# Altium PCB AIWAC_A33_LVDS07_20181114..PcbDoc (part 6 of 14)
Units mm, origin at the board's own origin, x right, y up, seen from the top; angles counter-clockwise.
Board outline 96.06 x 45 mm, 2 copper layers (Top Layer, Bottom Layer); 78 components, 59 nets, 22856 pads, 712 vias.
Unrouted connection lines stored in the file: 2.
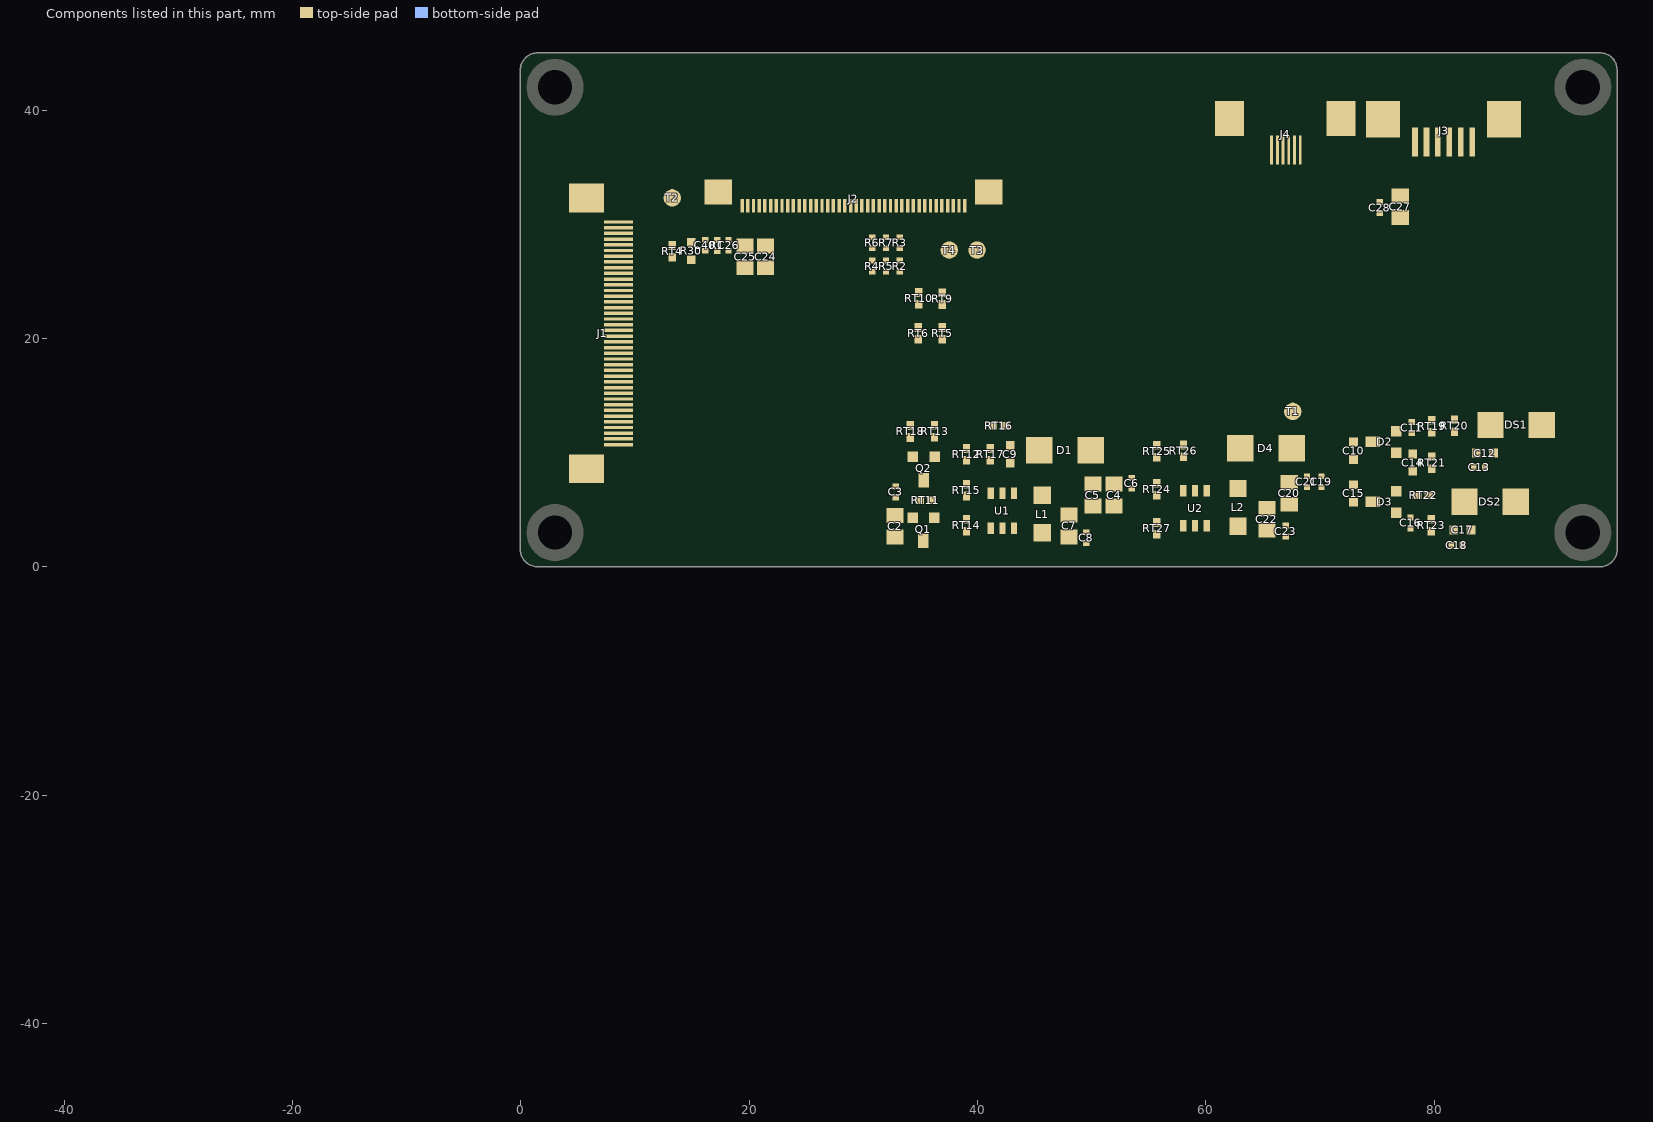
[diagram p6: the components of this part, seen from the top]

## Free pads (board coordinates) (continued)
  round 0 on Mech2: 1(-39.05,-44.101) 1(-39.05,-44.101) 1(-39.05,-44.101) 1(-39.05,-44.098) 1(-39.05,-44.098) 1(-39.05,-44.098) 1(-39.05,-44.112) 1(-39.05,-44.112) 1(-39.05,-44.112) 1(-39.049,-44.142) 1(-39.049,-44.142) 1(-39.049,-44.142) 1(-39.049,-44.146) 1(-39.049,-44.146) 1(-39.049,-44.146) 1(-39.049,-44.111) 1(-39.049,-44.111) 1(-39.049,-44.111) 1(-39.049,-44.103) 1(-39.049,-44.103) 1(-39.049,-44.103) 1(-39.049,-44.104) 1(-39.049,-44.104) 1(-39.049,-44.104) 1(-39.048,-44.104) 1(-39.048,-44.104) 1(-39.048,-44.104) 1(-39.048,-44.137) 1(-39.048,-44.137) 1(-39.048,-44.137) 1(-39.048,-44.133) 1(-39.048,-44.133) 1(-39.048,-44.133) 1(-39.048,-44.124) 1(-39.048,-44.124) 1(-39.048,-44.124) 1(-39.048,-44.099) 1(-39.048,-44.099) 1(-39.048,-44.099) 1(-39.048,-44.13) 1(-39.048,-44.13) 1(-39.048,-44.13) 1(-39.048,-44.116) 1(-39.048,-44.116) 1(-39.048,-44.116) 1(-39.047,-44.137) 1(-39.047,-44.137) 1(-39.047,-44.137) 1(-39.047,-44.119) 1(-39.047,-44.119) 1(-39.047,-44.119) 1(-39.047,-44.108) 1(-39.047,-44.108) 1(-39.047,-44.108) 1(-39.047,-44.106) 1(-39.047,-44.106) 1(-39.047,-44.106) 1(-39.047,-44.145) 1(-39.047,-44.145) 1(-39.047,-44.145) 1(-39.047,-44.122) 1(-39.047,-44.122) 1(-39.047,-44.122) 1(-39.047,-44.142) 1(-39.047,-44.142) 1(-39.047,-44.142) 1(-39.047,-44.127) 1(-39.047,-44.127) 1(-39.047,-44.127) 1(-39.047,-44.113) 1(-39.047,-44.113) 1(-39.047,-44.113) 1(-39.046,-44.109) 1(-39.046,-44.109) 1(-39.046,-44.109) 1(-39.046,-44.105) 1(-39.046,-44.105) 1(-39.046,-44.105) 1(-39.046,-44.099) 1(-39.046,-44.099) 1(-39.046,-44.099) 1(-39.046,-44.136) 1(-39.046,-44.136) 1(-39.046,-44.136) 1(-39.046,-44.134) 1(-39.046,-44.134) 1(-39.046,-44.134) 1(-39.046,-44.106) 1(-39.046,-44.106) 1(-39.046,-44.106) 1(-39.045,-44.102) 1(-39.045,-44.102) 1(-39.045,-44.102) 1(-39.045,-44.114) 1(-39.045,-44.114) 1(-39.045,-44.114) 1(-39.045,-44.111) 1(-39.045,-44.111) 1(-39.045,-44.111) 1(-39.045,-44.144) 1(-39.045,-44.144) 1(-39.045,-44.144) 1(-39.045,-44.147) 1(-39.045,-44.147) 1(-39.045,-44.147) 1(-39.045,-44.151) 1(-39.045,-44.151) 1(-39.045,-44.151) 1(-39.045,-44.097) 1(-39.045,-44.097) 1(-39.045,-44.097) 1(-39.045,-44.131) 1(-39.045,-44.131) 1(-39.045,-44.131) 1(-39.045,-44.127) 1(-39.045,-44.127) 1(-39.045,-44.127) 1(-39.045,-44.13) 1(-39.045,-44.13) 1(-39.045,-44.13) 1(-39.045,-44.128) 1(-39.045,-44.128) 1(-39.045,-44.128) 1(-39.045,-44.105) 1(-39.045,-44.105) 1(-39.045,-44.105) 1(-39.044,-44.109) 1(-39.044,-44.109) 1(-39.044,-44.109) 1(-39.044,-44.103) 1(-39.044,-44.103) 1(-39.044,-44.103) 1(-39.044,-44.119) 1(-39.044,-44.119) 1(-39.044,-44.119) 1(-39.044,-44.116) 1(-39.044,-44.116) 1(-39.044,-44.116) 1(-39.044,-44.146) 1(-39.044,-44.146) 1(-39.044,-44.146) 1(-39.044,-44.146) 1(-39.044,-44.146) 1(-39.044,-44.146) 1(-39.044,-44.134) 1(-39.044,-44.134) 1(-39.044,-44.134) 1(-39.044,-44.134) 1(-39.044,-44.134) 1(-39.044,-44.134) 1(-39.044,-44.118) 1(-39.044,-44.118) 1(-39.044,-44.118) 1(-39.044,-44.116) 1(-39.044,-44.116) 1(-39.044,-44.116) 1(-39.044,-44.116) 1(-39.044,-44.116) 1(-39.044,-44.116) 1(-39.044,-44.1) 1(-39.044,-44.1) 1(-39.044,-44.1) 1(-39.044,-44.094) 1(-39.044,-44.094) 1(-39.044,-44.094) 1(-39.044,-44.148) 1(-39.044,-44.148) 1(-39.044,-44.148) 1(-39.044,-44.146) 1(-39.044,-44.146) 1(-39.044,-44.146) 1(-39.044,-44.146) 1(-39.044,-44.146) 1(-39.044,-44.146) 1(-39.044,-44.134) 1(-39.044,-44.134) 1(-39.044,-44.134) 1(-39.044,-44.134) 1(-39.044,-44.134) 1(-39.044,-44.134) 1(-39.044,-44.106) 1(-39.044,-44.106) 1(-39.044,-44.106) 1(-39.044,-44.106) 1(-39.044,-44.106) 1(-39.044,-44.106) 1(-39.043,-44.112) 1(-39.043,-44.112) 1(-39.043,-44.112) 1(-39.043,-44.144) 1(-39.043,-44.144) 1(-39.043,-44.144) 1(-39.043,-44.144) 1(-39.043,-44.144) 1(-39.043,-44.144) 1(-39.043,-44.134) 1(-39.043,-44.134) 1(-39.043,-44.134) 1(-39.043,-44.134) 1(-39.043,-44.134) 1(-39.043,-44.134) 1(-39.043,-44.095) 1(-39.043,-44.095) 1(-39.043,-44.095) 1(-39.043,-44.095) 1(-39.043,-44.095) 1(-39.043,-44.095) 1(-39.043,-44.095) 1(-39.043,-44.095) 1(-39.043,-44.095) 1(-39.043,-44.146) 1(-39.043,-44.146) 1(-39.043,-44.146) 1(-39.043,-44.146) 1(-39.043,-44.146) 1(-39.043,-44.146) 1(-39.043,-44.133) 1(-39.043,-44.133) 1(-39.043,-44.133) 1(-39.043,-44.133) 1(-39.043,-44.133) 1(-39.043,-44.133) 1(-39.043,-44.129) 1(-39.043,-44.129) 1(-39.043,-44.129) 1(-39.043,-44.129) 1(-39.043,-44.129) 1(-39.043,-44.129) 1(-39.043,-44.12) 1(-39.043,-44.12) 1(-39.043,-44.12) 1(-39.043,-44.12) 1(-39.043,-44.12) 1(-39.043,-44.12) 1(-39.043,-44.145) 1(-39.043,-44.145) 1(-39.043,-44.145) 1(-39.043,-44.144) 1(-39.043,-44.144) 1(-39.043,-44.144) 1(-39.043,-44.144) 1(-39.043,-44.144) 1(-39.043,-44.144) 1(-39.043,-44.14) 1(-39.043,-44.14) 1(-39.043,-44.14) 1(-39.043,-44.14) 1(-39.043,-44.14) 1(-39.043,-44.14) 1(-39.043,-44.095) 1(-39.043,-44.095) 1(-39.043,-44.095) 1(-39.043,-44.095) 1(-39.043,-44.095) 1(-39.043,-44.095) 1(-39.043,-44.147) 1(-39.043,-44.147) 1(-39.043,-44.147) 1(-39.043,-44.147) 1(-39.043,-44.147) 1(-39.043,-44.147) 1(-39.043,-44.129) 1(-39.043,-44.129) 1(-39.043,-44.129) 1(-39.043,-44.129) 1(-39.043,-44.129) 1(-39.043,-44.129) 1(-39.043,-44.127) 1(-39.043,-44.127) 1(-39.043,-44.127) 1(-39.043,-44.126) 1(-39.043,-44.126) 1(-39.043,-44.126) 1(-39.043,-44.125) 1(-39.043,-44.125) 1(-39.043,-44.125) 1(-39.043,-44.125) 1(-39.043,-44.125) 1(-39.043,-44.125) 1(-39.043,-44.134) 1(-39.043,-44.134) 1(-39.043,-44.134) 1(-39.043,-44.133) 1(-39.043,-44.133) 1(-39.043,-44.133) 1(-39.043,-44.133) 1(-39.043,-44.133) 1(-39.043,-44.133) 1(-39.043,-44.131) 1(-39.043,-44.131) 1(-39.043,-44.131) 1(-39.043,-44.131) 1(-39.043,-44.131) 1(-39.043,-44.131) 1(-39.043,-44.127) 1(-39.043,-44.127) 1(-39.043,-44.127) 1(-39.043,-44.127) 1(-39.043,-44.127) 1(-39.043,-44.127) 1(-39.043,-44.103) 1(-39.043,-44.103) 1(-39.043,-44.103) 1(-39.043,-44.103) 1(-39.043,-44.103) 1(-39.043,-44.103) 1(-39.043,-44.105) 1(-39.043,-44.105) 1(-39.043,-44.105) 1(-39.043,-44.105) 1(-39.043,-44.105) 1(-39.043,-44.105) 1(-39.043,-44.103) 1(-39.043,-44.103) 1(-39.043,-44.103) 1(-39.043,-44.103) 1(-39.043,-44.103) 1(-39.043,-44.103) 1(-39.043,-44.145) 1(-39.043,-44.145) 1(-39.043,-44.145) 1(-39.043,-44.145) 1(-39.043,-44.145) 1(-39.043,-44.145) 1(-39.043,-44.144) 1(-39.043,-44.144) 1(-39.043,-44.144) 1(-39.043,-44.144) 1(-39.043,-44.144) 1(-39.043,-44.144) 1(-39.043,-44.131) 1(-39.043,-44.131) 1(-39.043,-44.131) 1(-39.043,-44.131) 1(-39.043,-44.131) 1(-39.043,-44.131) 1(-39.043,-44.131) 1(-39.043,-44.131) 1(-39.043,-44.131) 1(-39.043,-44.131) 1(-39.043,-44.131) 1(-39.043,-44.131) 1(-39.042,-44.141) 1(-39.042,-44.141) 1(-39.042,-44.141) 1(-39.042,-44.138) 1(-39.042,-44.138) 1(-39.042,-44.138) 1(-39.042,-44.138) 1(-39.042,-44.138) 1(-39.042,-44.138) 1(-39.042,-44.137) 1(-39.042,-44.137) 1(-39.042,-44.137) 1(-39.042,-44.135) 1(-39.042,-44.135) 1(-39.042,-44.135) 1(-39.042,-44.138) 1(-39.042,-44.138) 1(-39.042,-44.138) 1(-39.042,-44.138) 1(-39.042,-44.138) 1(-39.042,-44.138) 1(-39.042,-44.136) 1(-39.042,-44.136) 1(-39.042,-44.136) 1(-39.042,-44.136) 1(-39.042,-44.136) 1(-39.042,-44.136) 1(-39.042,-44.132) 1(-39.042,-44.132) 1(-39.042,-44.132) 1(-39.042,-44.132) 1(-39.042,-44.132) 1(-39.042,-44.132) 1(-39.042,-44.132) 1(-39.042,-44.132) 1(-39.042,-44.132) 1(-39.042,-44.132) 1(-39.042,-44.132) 1(-39.042,-44.132) 1(-39.042,-44.13) 1(-39.042,-44.13) 1(-39.042,-44.13) 1(-39.042,-44.13) 1(-39.042,-44.13) 1(-39.042,-44.13) 1(-39.042,-44.13) 1(-39.042,-44.13) 1(-39.042,-44.13) 1(-39.042,-44.13) 1(-39.042,-44.13) 1(-39.042,-44.13) 1(-39.042,-44.133) 1(-39.042,-44.133) 1(-39.042,-44.133) 1(-39.042,-44.133) 1(-39.042,-44.133) 1(-39.042,-44.133) 1(-39.042,-44.106) 1(-39.042,-44.106) 1(-39.042,-44.106) 1(-39.042,-44.124) 1(-39.042,-44.124) 1(-39.042,-44.124) 1(-39.042,-44.128) 1(-39.042,-44.128) 1(-39.042,-44.128) 1(-39.042,-44.114) 1(-39.042,-44.114) 1(-39.042,-44.114) 1(-39.042,-44.115) 1(-39.042,-44.115) 1(-39.042,-44.115) 1(-39.042,-44.139) 1(-39.042,-44.139) 1(-39.042,-44.139) 1(-39.042,-44.139) 1(-39.042,-44.139) 1(-39.042,-44.139) 1(-39.042,-44.144) 1(-39.042,-44.144) 1(-39.042,-44.144) 1(-39.042,-44.133) 1(-39.042,-44.133) 1(-39.042,-44.133) 1(-39.042,-44.136) 1(-39.042,-44.136) 1(-39.042,-44.136) 1(-39.042,-44.103) 1(-39.042,-44.103) 1(-39.042,-44.103) 1(-39.042,-44.127) 1(-39.042,-44.127) 1(-39.042,-44.127) 1(-39.042,-44.127) 1(-39.042,-44.127) 1(-39.042,-44.127) 1(-39.042,-44.125) 1(-39.042,-44.125) 1(-39.042,-44.125) 1(-39.042,-44.125) 1(-39.042,-44.125) 1(-39.042,-44.125) 1(-39.042,-44.125) 1(-39.042,-44.125) 1(-39.042,-44.125) 1(-39.042,-44.138) 1(-39.042,-44.138) 1(-39.042,-44.138) 1(-39.041,-44.135) 1(-39.041,-44.135) 1(-39.041,-44.135) 1(-39.041,-44.135) 1(-39.041,-44.135) 1(-39.041,-44.135) 1(-39.041,-44.134) 1(-39.041,-44.134) 1(-39.041,-44.134) 1(-39.041,-44.134) 1(-39.041,-44.134) 1(-39.041,-44.134) 1(-39.041,-44.111) 1(-39.041,-44.111) 1(-39.041,-44.111) 1(-39.041,-44.139) 1(-39.041,-44.139) 1(-39.041,-44.139) 1(-39.041,-44.139) 1(-39.041,-44.139) 1(-39.041,-44.139) 1(-39.041,-44.106) 1(-39.041,-44.106) 1(-39.041,-44.106) 1(-39.041,-44.106) 1(-39.041,-44.106) 1(-39.041,-44.106) 1(-39.041,-44.105) 1(-39.041,-44.105) 1(-39.041,-44.105) 1(-39.041,-44.132) 1(-39.041,-44.132) 1(-39.041,-44.132) 1(-39.041,-44.139) 1(-39.041,-44.139) 1(-39.041,-44.139) 1(-39.041,-44.139) 1(-39.041,-44.139) 1(-39.041,-44.139) 1(-39.041,-44.137) 1(-39.041,-44.137) 1(-39.041,-44.137) 1(-39.041,-44.135) 1(-39.041,-44.135) 1(-39.041,-44.135) 1(-39.041,-44.134) 1(-39.041,-44.134) 1(-39.041,-44.134) 1(-39.041,-44.146) 1(-39.041,-44.146) 1(-39.041,-44.146) 1(-39.041,-44.13) 1(-39.041,-44.13) 1(-39.041,-44.13) 1(-39.041,-44.129) 1(-39.041,-44.129) 1(-39.041,-44.129) 1(-39.041,-44.129) 1(-39.041,-44.129) 1(-39.041,-44.129) 1(-39.041,-44.101) 1(-39.041,-44.101) 1(-39.041,-44.101) 1(-39.041,-44.148) 1(-39.041,-44.148) 1(-39.041,-44.148) 1(-39.041,-44.107) 1(-39.041,-44.107) 1(-39.041,-44.107) 1(-39.041,-44.107) 1(-39.041,-44.107) 1(-39.041,-44.107) 1(-39.04,-44.141) 1(-39.04,-44.141) 1(-39.04,-44.141) 1(-39.04,-44.116) 1(-39.04,-44.116) 1(-39.04,-44.116) 1(-39.04,-44.116) 1(-39.04,-44.116) 1(-39.04,-44.116) 1(-39.04,-44.127) 1(-39.04,-44.127) 1(-39.04,-44.127) 1(-39.04,-44.127) 1(-39.04,-44.127) 1(-39.04,-44.127) 1(-39.04,-44.125) 1(-39.04,-44.125) 1(-39.04,-44.125) 1(-39.04,-44.124) 1(-39.04,-44.124) 1(-39.04,-44.124) 1(-39.04,-44.124) 1(-39.04,-44.124) 1(-39.04,-44.124) 1(-39.04,-44.138) 1(-39.04,-44.138) 1(-39.04,-44.138) 1(-39.04,-44.138) 1(-39.04,-44.138) 1(-39.04,-44.138) 1(-39.04,-44.11) 1(-39.04,-44.11) 1(-39.04,-44.11) 1(-39.04,-44.1) 1(-39.04,-44.1) 1(-39.04,-44.1) 1(-39.04,-44.129) 1(-39.04,-44.129) 1(-39.04,-44.129) 1(-39.04,-44.129) 1(-39.04,-44.129) 1(-39.04,-44.129) 1(-39.04,-44.123) 1(-39.04,-44.123) 1(-39.04,-44.123) 1(-39.04,-44.123) 1(-39.04,-44.123) 1(-39.04,-44.123) 1(-39.04,-44.14) 1(-39.04,-44.14) 1(-39.04,-44.14) 1(-39.04,-44.139) 1(-39.04,-44.139) 1(-39.04,-44.139) 1(-39.04,-44.134) 1(-39.04,-44.134) 1(-39.04,-44.134) 1(-39.04,-44.136) 1(-39.04,-44.136) 1(-39.04,-44.136) 1(-39.04,-44.136) 1(-39.04,-44.136) 1(-39.04,-44.136) 1(-39.04,-44.136) 1(-39.04,-44.136) 1(-39.04,-44.136) 1(-39.04,-44.136) 1(-39.04,-44.136) 1(-39.04,-44.136) 1(-39.04,-44.13) 1(-39.04,-44.13) 1(-39.04,-44.13) 1(-39.04,-44.129) 1(-39.04,-44.129) 1(-39.04,-44.129) 1(-39.04,-44.129) 1(-39.04,-44.129) 1(-39.04,-44.129) 1(-39.04,-44.133) 1(-39.04,-44.133) 1(-39.04,-44.133) 1(-39.04,-44.132) 1(-39.04,-44.132) 1(-39.04,-44.132) 1(-39.04,-44.116) 1(-39.04,-44.116) 1(-39.04,-44.116) 1(-39.04,-44.116) 1(-39.04,-44.116) 1(-39.04,-44.116) 1(-39.04,-44.114) 1(-39.04,-44.114) 1(-39.04,-44.114) 1(-39.04,-44.114) 1(-39.04,-44.114) 1(-39.04,-44.114) 1(-39.04,-44.137) 1(-39.04,-44.137) 1(-39.04,-44.137) 1(-39.04,-44.137) 1(-39.04,-44.137) 1(-39.04,-44.137) 1(-39.04,-44.124) 1(-39.04,-44.124) 1(-39.04,-44.124) 1(-39.04,-44.124) 1(-39.04,-44.124) 1(-39.04,-44.124) 1(-39.04,-44.139) 1(-39.04,-44.139) 1(-39.04,-44.139) 1(-39.04,-44.139) 1(-39.04,-44.139) 1(-39.04,-44.139) 1(-39.039,-44.146) 1(-39.039,-44.146) 1(-39.039,-44.146) 1(-39.039,-44.137) 1(-39.039,-44.137) 1(-39.039,-44.137) 1(-39.039,-44.137) 1(-39.039,-44.137) 1(-39.039,-44.137) 1(-39.039,-44.113) 1(-39.039,-44.113) 1(-39.039,-44.113) 1(-39.039,-44.113) 1(-39.039,-44.113) 1(-39.039,-44.113) 1(-39.039,-44.15) 1(-39.039,-44.15) 1(-39.039,-44.15) 1(-39.039,-44.139) 1(-39.039,-44.139) 1(-39.039,-44.139) 1(-39.039,-44.139) 1(-39.039,-44.139) 1(-39.039,-44.139) 1(-39.039,-44.13) 1(-39.039,-44.13) 1(-39.039,-44.13) 1(-39.039,-44.13) 1(-39.039,-44.13) 1(-39.039,-44.13) 1(-39.039,-44.129) 1(-39.039,-44.129) 1(-39.039,-44.129) 1(-39.039,-44.129) 1(-39.039,-44.129) 1(-39.039,-44.129) 1(-39.039,-44.121) 1(-39.039,-44.121) 1(-39.039,-44.121) 1(-39.039,-44.121) 1(-39.039,-44.121) 1(-39.039,-44.121) 1(-39.039,-44.118) 1(-39.039,-44.118) 1(-39.039,-44.118) 1(-39.039,-44.116) 1(-39.039,-44.116) 1(-39.039,-44.116) 1(-39.039,-44.137) 1(-39.039,-44.137) 1(-39.039,-44.137) 1(-39.039,-44.137) 1(-39.039,-44.137) 1(-39.039,-44.137) 1(-39.039,-44.141) 1(-39.039,-44.141) 1(-39.039,-44.141) 1(-39.039,-44.141) 1(-39.039,-44.141) 1(-39.039,-44.141) 1(-39.039,-44.127) 1(-39.039,-44.127) 1(-39.039,-44.127) 1(-39.039,-44.127) 1(-39.039,-44.127) 1(-39.039,-44.127) 1(-39.039,-44.123) 1(-39.039,-44.123) 1(-39.039,-44.123) 1(-39.039,-44.119) 1(-39.039,-44.119) 1(-39.039,-44.119) 1(-39.039,-44.137) 1(-39.039,-44.137) 1(-39.039,-44.137) 1(-39.039,-44.137) 1(-39.039,-44.137) 1(-39.039,-44.137) 1(-39.039,-44.133) 1(-39.039,-44.133) 1(-39.039,-44.133) 1(-39.039,-44.133) 1(-39.039,-44.133) 1(-39.039,-44.133) 1(-39.039,-44.133) 1(-39.039,-44.133) 1(-39.039,-44.133) 1(-39.039,-44.133) 1(-39.039,-44.133) 1(-39.039,-44.133) 1(-39.039,-44.134) 1(-39.039,-44.134) 1(-39.039,-44.134) 1(-39.039,-44.134) 1(-39.039,-44.134) 1(-39.039,-44.134) 1(-39.039,-44.114) 1(-39.039,-44.114) 1(-39.039,-44.114) 1(-39.039,-44.136) 1(-39.039,-44.136) 1(-39.039,-44.136) 1(-39.039,-44.136) 1(-39.039,-44.136) 1(-39.039,-44.136) 1(-39.039,-44.13) 1(-39.039,-44.13) 1(-39.039,-44.13) 1(-39.039,-44.13) 1(-39.039,-44.13) 1(-39.039,-44.13) 1(-39.039,-44.115) 1(-39.039,-44.115) 1(-39.039,-44.115) 1(-39.039,-44.115) 1(-39.039,-44.115) 1(-39.039,-44.115) 1(-39.038,-44.136) 1(-39.038,-44.136) 1(-39.038,-44.136) 1(-39.038,-44.129) 1(-39.038,-44.129) 1(-39.038,-44.129) 1(-39.038,-44.146) 1(-39.038,-44.146) 1(-39.038,-44.146) 1(-39.038,-44.145) 1(-39.038,-44.145) 1(-39.038,-44.145) 1(-39.038,-44.145) 1(-39.038,-44.145) 1(-39.038,-44.145) 1(-39.038,-44.138) 1(-39.038,-44.138) 1(-39.038,-44.138) 1(-39.038,-44.138) 1(-39.038,-44.138) 1(-39.038,-44.138) 1(-39.038,-44.139) 1(-39.038,-44.139) 1(-39.038,-44.139) 1(-39.038,-44.139) 1(-39.038,-44.139) 1(-39.038,-44.139) 1(-39.038,-44.112) 1(-39.038,-44.112) 1(-39.038,-44.112) 1(-39.038,-44.145) 1(-39.038,-44.145) 1(-39.038,-44.145) 1(-39.038,-44.145) 1(-39.038,-44.145) 1(-39.038,-44.145) 1(-39.038,-44.115) 1(-39.038,-44.115) 1(-39.038,-44.115) 1(-39.038,-44.115) 1(-39.038,-44.115) 1(-39.038,-44.115) 1(-39.038,-44.125) 1(-39.038,-44.125) 1(-39.038,-44.125) 1(-39.038,-44.11) 1(-39.038,-44.11) 1(-39.038,-44.11) 1(-39.038,-44.141) 1(-39.038,-44.141) 1(-39.038,-44.141) 1(-39.038,-44.141) 1(-39.038,-44.141) 1(-39.038,-44.141) 1(-39.038,-44.141) 1(-39.038,-44.141) 1(-39.038,-44.141) 1(-39.038,-44.13) 1(-39.038,-44.13) 1(-39.038,-44.13) 1(-39.038,-44.137) 1(-39.038,-44.137) 1(-39.038,-44.137) 1(-39.038,-44.137) 1(-39.038,-44.137) 1(-39.038,-44.137) 1(-39.038,-44.136) 1(-39.038,-44.136) 1(-39.038,-44.136) 1(-39.038,-44.129) 1(-39.038,-44.129) 1(-39.038,-44.129) 1(-39.038,-44.127) 1(-39.038,-44.127) 1(-39.038,-44.127) 1(-39.038,-44.127) 1(-39.038,-44.127) 1(-39.038,-44.127) 1(-39.038,-44.121) 1(-39.038,-44.121) 1(-39.038,-44.121) 1(-39.038,-44.122) 1(-39.038,-44.122) 1(-39.038,-44.122) 1(-39.038,-44.122) 1(-39.038,-44.122) 1(-39.038,-44.122) 1(-39.038,-44.121) 1(-39.038,-44.121) 1(-39.038,-44.121) 1(-39.038,-44.14) 1(-39.038,-44.14) 1(-39.038,-44.14) 1(-39.038,-44.147) 1(-39.038,-44.147) 1(-39.038,-44.147) 1(-39.038,-44.147) 1(-39.038,-44.147) 1(-39.038,-44.147) 1(-39.038,-44.144) 1(-39.038,-44.144) 1(-39.038,-44.144) 1(-39.038,-44.14) 1(-39.038,-44.14) 1(-39.038,-44.14) 1(-39.038,-44.115) 1(-39.038,-44.115) 1(-39.038,-44.115) 1(-39.038,-44.133) 1(-39.038,-44.133) 1(-39.038,-44.133) 1(-39.038,-44.133) 1(-39.038,-44.133) 1(-39.038,-44.133) 1(-39.038,-44.114) 1(-39.038,-44.114) 1(-39.038,-44.114) 1(-39.038,-44.132) 1(-39.038,-44.132) 1(-39.038,-44.132) 1(-39.038,-44.145) 1(-39.038,-44.145) 1(-39.038,-44.145) 1(-39.038,-44.145) 1(-39.038,-44.145) 1(-39.038,-44.145) 1(-39.038,-44.145) 1(-39.038,-44.145) 1(-39.038,-44.145) 1(-39.038,-44.134) 1(-39.038,-44.134) 1(-39.038,-44.134) 1(-39.037,-44.147) 1(-39.037,-44.147) 1(-39.037,-44.147) 1(-39.037,-44.147) 1(-39.037,-44.147) 1(-39.037,-44.147) 1(-39.037,-44.146) 1(-39.037,-44.146) 1(-39.037,-44.146) 1(-39.037,-44.127) 1(-39.037,-44.127) 1(-39.037,-44.127) 1(-39.037,-44.127) 1(-39.037,-44.127) 1(-39.037,-44.127) 1(-39.037,-44.126) 1(-39.037,-44.126) 1(-39.037,-44.126) 1(-39.037,-44.123) 1(-39.037,-44.123) 1(-39.037,-44.123) 1(-39.037,-44.123) 1(-39.037,-44.123) 1(-39.037,-44.123) 1(-39.037,-44.141) 1(-39.037,-44.141) 1(-39.037,-44.141) 1(-39.037,-44.141) 1(-39.037,-44.141) 1(-39.037,-44.141) 1(-39.037,-44.14) 1(-39.037,-44.14) 1(-39.037,-44.14) 1(-39.037,-44.139) 1(-39.037,-44.139) 1(-39.037,-44.139) 1(-39.037,-44.131) 1(-39.037,-44.131) 1(-39.037,-44.131) 1(-39.037,-44.131) 1(-39.037,-44.131) 1(-39.037,-44.131) 1(-39.037,-44.132) 1(-39.037,-44.132) 1(-39.037,-44.132) 1(-39.037,-44.132) 1(-39.037,-44.132) 1(-39.037,-44.132) 1(-39.037,-44.138) 1(-39.037,-44.138) 1(-39.037,-44.138) 1(-39.037,-44.138) 1(-39.037,-44.138) 1(-39.037,-44.138) 1(-39.037,-44.138) 1(-39.037,-44.138) 1(-39.037,-44.138) 1(-39.037,-44.136) 1(-39.037,-44.136) 1(-39.037,-44.136) 1(-39.037,-44.131) 1(-39.037,-44.131) 1(-39.037,-44.131) 1(-39.037,-44.131) 1(-39.037,-44.131) 1(-39.037,-44.131) 1(-39.037,-44.131) 1(-39.037,-44.131) 1(-39.037,-44.131) 1(-39.037,-44.127) 1(-39.037,-44.127) 1(-39.037,-44.127) 1(-39.037,-44.127) 1(-39.037,-44.127) 1(-39.037,-44.127) 1(-39.037,-44.1) 1(-39.037,-44.1) 1(-39.037,-44.1) 1(-39.037,-44.094) 1(-39.037,-44.094) 1(-39.037,-44.094) 1(-39.037,-44.114) 1(-39.037,-44.114) 1(-39.037,-44.114) 1(-39.037,-44.114) 1(-39.037,-44.114) 1(-39.037,-44.114) 1(-39.037,-44.12) 1(-39.037,-44.12) 1(-39.037,-44.12) 1(-39.037,-44.112) 1(-39.037,-44.112) 1(-39.037,-44.112) 1(-39.037,-44.145) 1(-39.037,-44.145) 1(-39.037,-44.145) 1(-39.037,-44.145) 1(-39.037,-44.145) 1(-39.037,-44.145) 1(-39.037,-44.113) 1(-39.037,-44.113) 1(-39.037,-44.113) 1(-39.037,-44.113) 1(-39.037,-44.113) 1(-39.037,-44.113) 1(-39.037,-44.133) 1(-39.037,-44.133) 1(-39.037,-44.133) 1(-39.037,-44.138) 1(-39.037,-44.138) 1(-39.037,-44.138) 1(-39.037,-44.138) 1(-39.037,-44.138) 1(-39.037,-44.138) 1(-39.037,-44.114) 1(-39.037,-44.114) 1(-39.037,-44.114) 1(-39.037,-44.106) 1(-39.037,-44.106) 1(-39.037,-44.106) 1(-39.037,-44.106) 1(-39.037,-44.106) 1(-39.037,-44.106) 1(-39.037,-44.105) 1(-39.037,-44.105) 1(-39.037,-44.105) 1(-39.037,-44.138) 1(-39.037,-44.138) 1(-39.037,-44.138) 1(-39.037,-44.138) 1(-39.037,-44.138) 1(-39.037,-44.138) 1(-39.037,-44.134) 1(-39.037,-44.134) 1(-39.037,-44.134) 1(-39.037,-44.134) 1(-39.037,-44.134) 1(-39.037,-44.134) 1(-39.037,-44.131) 1(-39.037,-44.131) 1(-39.037,-44.131) 1(-39.037,-44.131) 1(-39.037,-44.131) 1(-39.037,-44.131) 1(-39.037,-44.127) 1(-39.037,-44.127) 1(-39.037,-44.127) 1(-39.037,-44.127) 1(-39.037,-44.127) 1(-39.037,-44.127) 1(-39.036,-44.146) 1(-39.036,-44.146) 1(-39.036,-44.146) 1(-39.036,-44.145) 1(-39.036,-44.145) 1(-39.036,-44.145) 1(-39.036,-44.145) 1(-39.036,-44.145) 1(-39.036,-44.145) 1(-39.036,-44.107) 1(-39.036,-44.107) 1(-39.036,-44.107) 1(-39.036,-44.107) 1(-39.036,-44.107) 1(-39.036,-44.107) 1(-39.036,-44.147) 1(-39.036,-44.147) 1(-39.036,-44.147) 1(-39.036,-44.12) 1(-39.036,-44.12) 1(-39.036,-44.12) 1(-39.036,-44.12) 1(-39.036,-44.12) 1(-39.036,-44.12) 1(-39.036,-44.121) 1(-39.036,-44.121) 1(-39.036,-44.121) 1(-39.036,-44.127) 1(-39.036,-44.127) 